# Altium PCB I2C_Jog_Controller.pcbdoc (part 6 of 9) (continued)
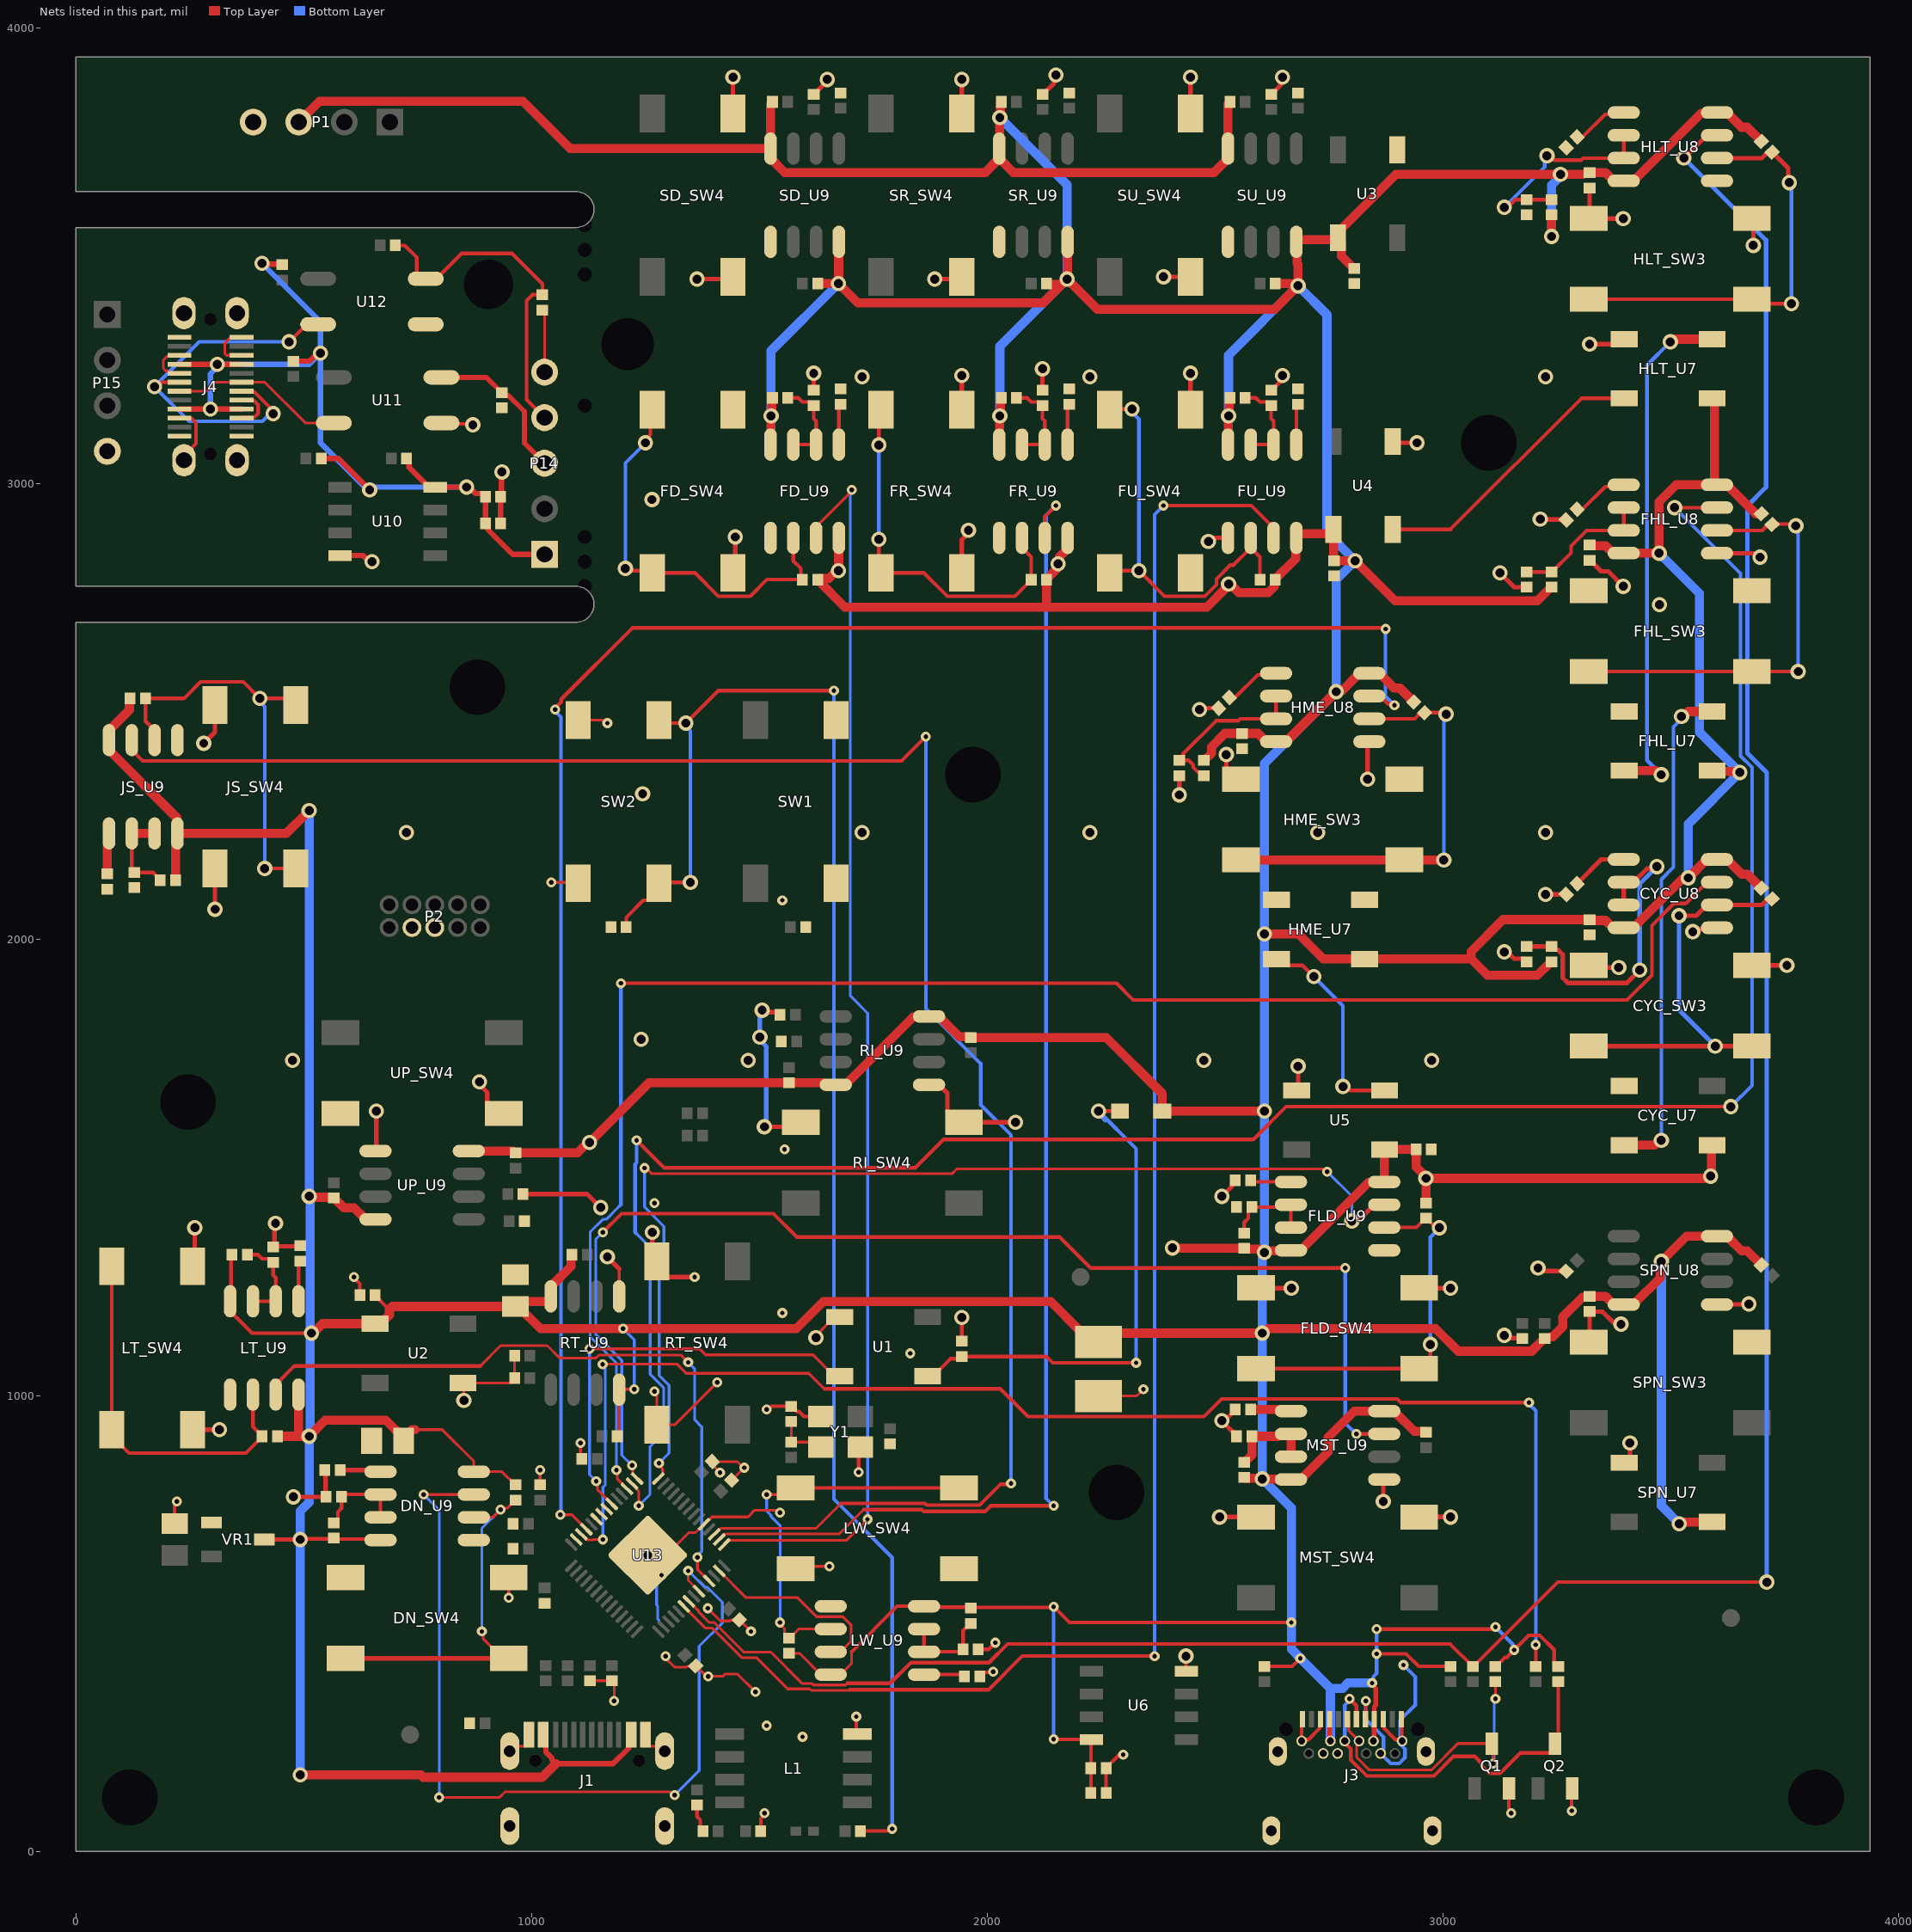
[diagram p6: the nets of this part, all layers, seen from the top]
## Nets (pads, with @x,y where several pads share a name; then routed paths per layer and width w, separated by ;. In a path a pad name is that pad's centre, name@x,y a point inside that pad or via, vN(x,y) a via of type N, cw(c..) or ccw(c..) an arc to the next point about the centre after c; other vN are vias at no path point) (continued)
  Top Layer w8: C21.1@216.54,719.09 216.54,759.01 221.46,763.93 v2(221.46,767.72) ; v2(610.24,1259.84) 610.24,1258.06 623.03,1245.27 C5.1@623.03,1220.47 ; R20.2@1363.19,101.38 1363.19,75.82 1369.92,69.09 1369.92,50.35 C19.1@1375.98,44.29 ; C35.1@1502.95,44.29 1502.95,72 1510.83,79.87 v2(1510.83,83.66) ; v2(1515.75,969.49) 1519.54,969.49 1526.43,976.38 1570.87,976.38 1582.52,964.72 1586.82,964.72 1597.8,953.74 Y1.2@1634.84,953.74 ; v2(1712.6,295.28) 1712.6,259.06 L1.4@1714.57,257.09 ; v2(1717.52,831.69) 1717.52,882.87 Y1.4@1721.46,886.81 ; C2.1@1943.9,1119.09 v1(1943.9,1171.26) ; LW_C15.1@1980.31,442.91 2002.95,442.91 v2(2017.72,457.68) ; LW_C16.2@1983.27,383.86 1983.27,384.84 1991.08,392.65 2011.75,392.65 v2(2012.8,393.7) ; C8.1@2260.83,127.95 2260.83,183.07 2286.69,208.94 2295.55,208.94 v2(2298.23,211.61) ; v1(2436.02,428.15) 2436.02,395.87 U6.4@2437.01,394.88 ; J3.A1@2691.92,289.57 2690.02,287.66 2690.02,275.85 2689.96,275.8 J3.B12@2689.96,241.93 2692.95,244.92 2704.72,244.92 2729.39,269.59 2729.39,287.66 J3.A3@2731.3,289.57 ; J3.A8@2829.72,289.57 2830.16,290.01 2830.16,329.16 v2(2830.6,329.6) ; J3.A10@2869.09,289.57 2870.99,287.66 2870.99,269.59 2895.66,244.92 2907.44,244.92 J3.B1@2910.43,241.93 ; J3.B1@2908.46,243.91 2909.44,244.9 2909.44,288.58 J3.A12@2908.46,289.57 ; Q1.2@3144.68,137.8 3144.68,92.37 3149.61,87.45 v2(3149.61,83.66) ; v2(3282.48,88.58) 3282.48,136.81 Q2.2@3283.46,137.8
  Top Layer w10: LT_SW4.2@255.91,925.2 v1(314.96,925.2) ; LT_SW4.1@255.91,1283.46 260.83,1288.39 v1(260.83,1368.11) ; v1(280.51,2431.1) 305.12,2455.71 JS_SW4.2@305.12,2514.76 ; v1(305.12,2066.93) JS_SW4.1@305.12,2156.5 ; v1(437.99,1377.95) 435.53,1375.49 435.53,1328.25 LT_C15.1@433.07,1325.79 434.55,1327.26 490.65,1327.26 LT_C16.2@492.13,1328.74 ; v1(477.09,777.56) DN_C15.1@549.21,777.56 547.74,779.04 547.74,835.14 DN_C16.2@546.26,836.61 ; UP_U9.1@657.48,1536.61 659.45,1538.58 v1(659.45,1624.02) ; v1(885.83,1687.99) 885.83,1681.64 902.64,1664.83 902.64,1641.65 925.2,1619.09 UP_SW4.1@938.98,1619.09 ; UP_C15.1@981.3,1441.93 1122.05,1441.93 v1(1151.57,1412.4) ; v1(1166.34,1304.13) 1192.13,1278.35 ; v1(1264.76,1358.27) 1264.76,1304.13 RT_SW4.2@1274.61,1294.29 1274.61,1282.4 1297.17,1259.84 v2(1357.95,1259.84) ; v1(1363.19,3449.8) 1437.01,3449.8 SD_SW4.2@1441.93,3454.72 ; FD_SW4.2@1441.93,2805.12 1446.85,2810.04 v1(1446.85,2883.86) ; SD_SW4.1@1441.93,3812.99 v1(1441.93,3892.72) ; v1(1505.91,1845.47) 1510.4,1840.98 1539.92,1840.98 RI_C16.2@1545.28,1835.63 ; v1(1510.83,1589.57) 1580.71,1589.57 RI_SW4.1@1590.55,1599.41 ; FD_C15.1@1619.09,3205.71 v1(1619.09,3243.11) ; SD_C15.1@1619.09,3855.31 1620.08,3855.31 1648.62,3883.86 v1(1648.62,3887.8) ; RI_U9.1@1872.05,1681.89 1893.7,1681.89 1912.48,1663.11 1912.48,1621.97 RI_SW4.2@1935.04,1599.41 ; v1(1884.84,3449.8) 1938.98,3449.8 SR_SW4.2@1943.9,3454.72 ; FR_SW4.2@1943.9,2805.12 1943.9,2877.51 1958.66,2892.27 v1(1958.66,2898.62) ; FR_SW4.1@1943.9,3163.39 v1(1943.9,3238.19) ; SR_SW4.1@1943.9,3812.99 v1(1943.9,3887.8) ; RI_SW4.2@1964.57,1599.41 v1(2062.01,1599.41) ; FR_C15.1@2121.06,3205.71 v1(2121.06,3252.95) ; SR_C15.1@2121.06,3855.31 2122.05,3855.31 2146.1,3879.37 2146.1,3893.15 v1(2150.59,3897.64) ; v1(2386.81,3454.72) SU_SW4.2@2445.87,3454.72 ; v1(2421.26,2317.91) HME_C13.1@2421.26,2360.24 ; FU_SW4.1@2445.87,3163.39 v1(2445.87,3243.11) ; SU_SW4.1@2445.87,3812.99 v1(2445.87,3892.72) ; v1(2465.55,2504.92) 2469.18,2508.55 2507.16,2508.55 HME_C14.2@2507.85,2507.85 ; v1(2485.24,2874.02) 2491.59,2874.02 2499.46,2881.89 FU_U9.1@2528.35,2881.89 ; v1(2509.84,733.27) MST_SW4.1@2589.57,733.27 ; v1(2514.76,1437.01) 2537.48,1459.72 2537.48,1465.63 FLD_C16.2@2544.29,1472.44 ; v1(2524.61,2406.5) 2524.61,2374.92 2547.17,2352.36 HME_SW3.1@2557.09,2352.36 ; MST_C16.2@2544.29,969.49 2544.29,968.5 2520.67,944.88 v1(2514.76,944.88) 2514.76,943.9 2547.24,911.42 MST_C15.1@2547.24,910.43 ; FLD_SW4.1@2589.57,1236.22 2590.55,1235.24 v1(2667.32,1235.24) ; FU_C15.1@2623.03,3205.71 2624.02,3205.71 2643.15,3224.84 2643.15,3233.7 v1(2647.64,3238.19) ; SU_C15.1@2623.03,3855.32 2624.02,3855.32 2643.15,3874.45 2643.15,3888.23 v1(2647.64,3892.72) ; U5.3@2679.13,1669.29 2682.09,1672.24 v1(2682.09,1722.44) ; v1(2834.65,2352.36) 2834.65,2430.91 HME_U8.1@2838.58,2434.84 ; v1(2869.09,767.72) 2869.09,813.78 MST_U9.1@2871.06,815.75 ; U4.3@2889.76,3093.5 2892.72,3090.55 v1(2942.91,3090.55) ; MST_SW4.2@2947.83,733.27 v1(3016.73,733.27) ; FLD_SW4.2@2947.83,1236.22 2948.82,1235.24 v1(3016.73,1235.24) ; v1(3125,2805.12) 3156.5,2773.62 FHL_C13.1@3184.06,2773.62 ; v1(3134.76,1131.97) 3141.11,1131.97 3147.1,1125.98 3173.23,1125.98 SPN_C13.1@3174.21,1125 ; v1(3134.84,1973.43) 3141.19,1973.43 3156.26,1958.36 3177.47,1958.36 CYC_C13.1@3184.06,1951.77 ; v1(3208.66,1279.53) 3215.01,1279.53 3221.23,1273.31 3269.95,1273.31 SPN_C14.2@3270.65,1272.62 ; v1(3213.58,2923.23) 3214.88,2921.93 3269.95,2921.93 FHL_C14.2@3270.65,2921.24 ; v1(3225.41,2099.39) 3253.15,2099.39 3253.84,2100.08 3269.95,2100.08 CYC_C14.2@3270.65,2099.39 ; SPN_SW3.1@3319.88,1117.13 3321.85,1119.09 SPN_C12.1@3321.85,1184.06 3349.65,1184.06 3372.72,1160.99 3386.26,1160.99 v1(3390.75,1156.5) ; CYC_SW3.1@3319.88,1943.9 3324.8,1938.98 v1(3385.83,1938.98) ; FHL_C12.1@3321.85,2832.68 3322.83,2832.68 3347.2,2808.31 3362.95,2808.31 v1(3395.67,2775.59) ; v1(3321.85,3307.09) 3386.81,3307.09 HLT_U7.3@3397.64,3317.91 ; HLT_C12.1@3321.85,3649.61 3321.85,3584.65 HLT_SW3.1@3319.88,3582.68 v1(3395.67,3582.68) ; SPN_U7.3@3397.64,852.36 3397.72,852.36 3410.43,865.08 v1(3410.43,895.67) ; v1(3548.23,2017.72) 3554.58,2017.72 3559.88,2023.02 3598.02,2023.02 CYC_U8.1@3601.38,2026.38 ; SPN_U8.1@3601.38,1199.61 3601.97,1200.2 3670.67,1200.2 v1(3671.26,1200.79) ; FHL_U8.1@3601.38,2848.23 3680.86,2848.23 3689.52,2839.57 v1(3695.87,2839.57) ; CYC_SW3.2@3678.15,1943.9 v1(3754.92,1943.9) ; HLT_SW3.2@3678.15,3582.68 3681.1,3579.72 v1(3681.1,3523.62)
  Bottom Layer w6: 1220.47,615.16 v1(1254.92,649.61) ; 1279.53,506.89 1276.39,510.02 1276.39,538.31 1274.29,540.41 1274.29,591.95 1285.28,602.94 v2(1285.28,605.57)
  Bottom Layer w8: v2(2830.6,329.6) 2830.6,289.71 2869.31,250.99 2869.31,208.81 2885.62,192.5 2903.75,192.5 2916.56,205.31 2916.56,224.67 2906.03,235.19 2906.03,287.69 2939.54,321.2 2939.54,382.31 v2(2913.39,408.46)
  Bottom Layer w10: v1(1505.91,1845.47) 1505.91,1839.12 1500.98,1834.2 1500.98,1780.07 1514.93,1766.12 1514.93,1593.67 v1(1510.83,1589.57)
  other v1: 475.2,1735.55 1475.2,1735.55 2475.2,1735.55 2975.2,1735.55 1240.16,1781.5 1500.98,1786.42 725.2,2235.55 1725.2,2235.55 2225.2,2235.55 2725.2,2235.55 3225.2,2235.55 1243.72,2320.31 3475.2,2735.55 1264.34,2965.93 1725.2,3235.55 2225.2,3235.55 3225.2,3235.55
  other v2: 1594.49,250.98 1515.75,275.59 1387.8,383.78 1830.71,1092.52 1550.2,1181.1 1269.68,1422.24 1555.12,1540.35 1550.2,2086.61
GND_CONN: C10.1 C11.1 C17.1 C18.1 J4.1 J4.2 J4.3 J4.4 J4.A1 J4.A3 J4.A8 J4.A10 J4.A12 J4.B1 J4.B3 J4.B8 J4.B10 J4.B12 P14.5 P15.4 U10.4 U11.3 U12.3 | length 833.9
  Top Layer w6: J4.A8@227.16,3243.11 206.1,3243.11 200.73,3248.48 197.06,3248.48 191.78,3253.75 191.78,3271.84 200.11,3280.17 224.85,3280.17 J4.A10@227.16,3282.48 ; J4.B3@363.38,3282.48 330.41,3282.48 326.89,3286 326.89,3310.09 336.33,3319.54 361.07,3319.54 J4.B1@363.38,3321.85 ; C18.1@1023.62,3381.89 1028.54,3376.97 P14.5@1028.54,3245.67
  Top Layer w8: J4.A3@227.16,3144.68 228.48,3143.37 254.63,3143.37 263.54,3134.46 263.54,3088.63 237.01,3062.1 J4.1@237.01,3052.17 ; J4.B10@363.38,3144.68 364.7,3146 390.85,3146 399.76,3154.91 399.76,3173.83 390.85,3182.74 364.7,3182.74 J4.B8@363.38,3184.05 ; U11.3@802.17,3134.06 804.23,3131.99 869,3131.99 v1(871.06,3129.92)
  Top Layer w12: U10.4@579.72,2843.31 630.22,2843.31 643.8,2829.72 v1(649.61,2829.72) ; C10.1@932.09,2913.39 C11.1@932.09,2972.44 933.56,2973.92 933.56,3025.1 v1(935.04,3026.57)
GPIO23: U13.35
GPIO24: U13.36
GPIO25: U13.37
HALT: HLT_U8.3 R11.2 U13.7 | length 5909.5
  Top Layer w6: U13.7@1345.05,548.34 1366.54,526.85 1366.54,524.68 1389.3,501.92 1400.61,501.92 1465.75,436.78 1524.9,436.78 1593.48,368.2 1614.96,368.2 1618.34,364.82 1689,364.82 1692.51,368.33
  Top Layer w8: 1692.51,368.33 1786.67,368.33 1832.16,413.82 2003.21,413.82 2004.1,414.7 2004.44,414.7 2044.62,454.88 3015.59,454.88 3066.93,403.54 3066.93,402.56 3066.93,405.51 3251.97,590.55 v1(3710.63,590.55)
  Top Layer w10: v1(3528.54,3715.55) 3529.33,3715.55 3578.94,3765.16 HLT_U8.3@3601.38,3765.16
  Bottom Layer w10: v1(3528.54,3715.55) 3708.83,3535.26 3708.83,2992.77 3668.13,2952.07 3668.13,2409.59 3710.63,2367.09 v1(3710.63,590.55)
HALT_host: C17.2 P14.3 U11.4 | length 344.8
  Top Layer w11: U11.4@802.17,3234.06 900.79,3234.06 934.05,3200.79 C17.2@935.04,3200.79 941.35,3194.48 948.76,3194.48 984.05,3159.18 984.05,3090.16 P14.3@1028.54,3045.67
HALT_KEYPAD: J3.A6 J3.B6 Q1.3 R7.2 | length 651.2
  Top Layer w6: J3.A6@2790.35,289.57 2793.25,286.66 2793.25,264.62 J3.B6@2815.94,241.93 2815.94,237.16 2810.82,232.04 2810.82,205.73 2838.34,178.2 2974.67,178.2 3032.69,236.22 Q1.3@3107.28,236.22 3110.24,233.27 v2(3110.24,191.93) ; v2(3115.16,334.65) R7.2@3115.16,367.13
  Bottom Layer w6: v2(3110.24,191.93) 3112.7,194.39 3112.7,332.19 v2(3115.16,334.65)
HALT_mod: J4.A6 J4.B6 U11.2 | length 384
  Top Layer w6: J4.A6@227.16,3203.74 285.43,3203.74 305.12,3223.43 413.97,3223.43 503.34,3134.06 U11.2@565.94,3134.06
HLT_LED_IN: HLT_U7.4 U4.2 | length 626.9
  Top Layer w8: U4.2@2889.76,2900.59 3016.53,2900.59 3303.93,3187.99 HLT_U7.4@3397.64,3187.99
HME_LED_IN: HME_U7.4 U5.2 | length 460.4
  Top Layer w8: HME_U7.4@2634.84,1957.68 2648.56,1943.96 2691.87,1943.96 v1(2716.54,1919.29) ; v1(2780.51,1678.15) 2787.4,1678.15 2796.26,1669.29 U5.2@2872.05,1669.29
  Bottom Layer w8: v1(2716.54,1919.29) 2780.51,1855.31 v1(2780.51,1678.15)
HME_LED_OUT: HME_U7.2
HOME: HME_U8.3 U13.39 | length 3984.9
  Top Layer w6: v2(1062.99,738.19) 1088.39,738.19 U13.39@1120.25,706.33
  Top Layer w8: v2(1051.8,2504.92) 1051.8,2508.71 1064.8,2521.71 1064.8,2527.76 1221.25,2684.21 2871.89,2684.21 v2(2874.02,2682.09) ; HME_U8.3@2838.58,2534.84 2861.89,2534.84 2879.29,2517.44 2891.02,2517.44 v2(2893.7,2514.76)
  Bottom Layer w8: v2(1051.8,2504.92) 1051.8,2501.13 1064.31,2488.63 1064.31,739.5 v2(1062.99,738.19) ; v2(2874.02,2682.09) 2874.02,2534.45 v2(2893.7,2514.76)
JOG/SEL: JS_U9.3 U13.17 | length 4199.9
  Top Layer w6: U13.17@1410.12,704.5 1411.36,704.5 1415.21,708.35 1623.91,708.35 1678.91,763.35
  Top Layer w8: JS_U9.3@122.64,2437.99 122.64,2416.34 146.42,2392.56 1811.85,2392.56 v2(1865.16,2445.87) ; 1678.91,763.35 1862.86,763.35 1866.52,759.69 1983.47,759.69 2029.17,805.38 2050.46,805.38 v2(2052.17,807.09)
  Bottom Layer w8: v2(1865.16,2445.87) 1865.16,1848.83 1985.39,1728.59 1985.39,1638.22 2052.17,1571.45 v2(2052.17,807.09)
KPSTR: R12.1 U13.40 | length 3126.9
  Top Layer w6: U13.40@1109.12,695.19 1110.44,695.19 1122.45,683.18 1135.34,683.18 1136.22,684.06 v2(1156.5,684.06) ; v2(1155.79,1068.6) 1319.46,1068.6 1339.51,1048.54 1608.57,1048.54 1642.51,1014.61
  Top Layer w8: 1642.51,1014.61 2028.45,1014.61 2089.47,953.58 2475.41,953.58 2514.11,992.28 2899.81,992.28 2907.84,984.25 v2(3188.98,984.25) ; R12.1@3203.74,405.51 v2(3203.74,452.76)
  Bottom Layer w6: v2(1155.79,1068.6) 1155.79,1064.27 1161.73,1058.32 1161.73,803.72 1156.5,798.49 v2(1156.5,684.06)
  Bottom Layer w8: v2(3188.98,984.25) 3188.98,981.25 3203.74,966.49 v2(3203.74,452.76)
KPSTR_host: C18.2 P14.4 R3.1 U12.4 | length 767.6
  Top Layer w8: R3.1@700.79,3523.62 721.4,3523.62 748.09,3496.93 748.09,3461.44 758.95,3450.59 U12.4@774.05,3450.59 ; U12.4@767.72,3450.59 U12.4@774.05,3450.59 ; P14.4@1028.54,3145.67 989.02,3185.2 989.02,3402.34 1002.03,3415.35 C18.2@1023.62,3415.35 1023.62,3439.17 956.86,3505.93 846.68,3505.93 791.34,3450.59 U12.4@774.05,3450.59
KPSTR_KEYPAD: J3.A7 J3.B7 Q2.3 R6.2 | length 864.6
  Top Layer w8: J3.B7@2784.45,241.93 2784.45,237.7 2797.82,224.33 2797.82,200.34 2832.96,165.2 2980.06,165.2 3022.86,208.01 3069.72,208.01 3085.63,192.1 3085.63,186.84 3101.54,170.93 3125.29,170.93 3169.98,215.61 3236.28,215.61 3246.06,225.39 Q2.3@3246.06,236.22 3252.95,243.11 R6.2@3252.95,370.08 ; v2(2795.28,334.65) 2795.28,334.05 2810.04,319.29 J3.A7@2810.04,289.57
  Bottom Layer w8: J3.B7@2784.45,241.93 2784.45,320.03 2795.28,330.86 v2(2795.28,334.65)
KPSTR_mod: J4.A7 J4.B7 U12.2 | length 867.7
  Top Layer w8: v1(172.24,3213.58) 179.13,3213.58 188.98,3223.43 J4.A7@227.16,3223.43 ; J4.B7@363.38,3203.74 364.7,3202.42 390.96,3202.42 433.07,3160.32 v1(433.07,3154.53) ; v1(467.52,3312.01) 468.41,3312.01 506.99,3350.59 U12.2@531.5,3350.59
  Bottom Layer w8: v1(433.07,3154.53) 426.22,3154.53 409.33,3137.64 248.19,3137.64 v1(172.24,3213.58) 270.67,3312.01 v1(467.52,3312.01)
LED_CONTROL: U1.4 U13.34 | length 921.5
  Top Layer w6: v2(1126.97,1102.36) 1368.46,1102.36 1381.59,1089.24 1617.46,1089.24 1664.37,1042.32 U1.4@1676.18,1042.32 ; v2(1141.73,812.01) 1144.79,808.95 1144.79,793.14 1165.87,772.06 1165.96,772.06 U13.34@1166.62,771.4
  Bottom Layer w6: v2(1126.97,1102.36) 1127.28,1102.05 1127.28,826.46 v2(1141.73,812.01)
LEFT: LT_U9.3 U13.11 | length 1489.4
  Top Layer w6: 887.64,1064.8 932.23,1109.39 1034.15,1109.39 1061.18,1082.36 1141.27,1082.36 1147.5,1088.6 1327.74,1088.6 v2(1343.5,1072.83) ; v2(1363.97,644.63) 1363.97,618.51 U13.11@1389.59,592.88
  Top Layer w8: LT_U9.3@438.39,1001.97 438.39,1023.62 479.57,1064.8 887.64,1064.8
  Bottom Layer w6: v2(1343.5,1072.83) 1357.95,1058.39 1357.95,946.44 1373.35,931.05 1373.35,658.34 1363.97,648.96 v2(1363.97,644.63)
LOWER: LW_U9.3 U13.13 | length 428.5
  Top Layer w6: U13.13@1411.86,615.16 1470.6,556.42 1583.81,556.42 1625.41,514.82 1683.14,514.82 1700.93,497.03 1700.93,460.38 1678.15,437.6 LW_U9.3@1656.5,437.6
MIST: MST_U9.3 U13.29 | length 2715.7
  Top Layer w6: v2(1220.47,846.46) 1222.21,844.72 1222.21,827.08 U13.29@1231.61,817.68
  Top Layer w8: v2(1156.5,1358.27) 1197.23,1399 1530.76,1399 1582.09,1347.66 2158.89,1347.66 2227.02,1279.53 v2(2785.43,1279.53) ; v2(2810.04,915.35) 2810.24,915.55 2870.87,915.55 MST_U9.3@2871.06,915.75
  Bottom Layer w6: v2(1156.5,1358.27) 1140.61,1342.38 1140.61,1134.35 1198.02,1076.93 1198.02,868.91 v2(1220.47,846.46)
  Bottom Layer w8: v2(2785.43,1279.53) 2785.43,939.96 v2(2810.04,915.35)
NetC2_2: C2.2 D1.2 U1.1 | length 1142.2
  Top Layer w8: U1.1@1869.09,1042.32 1880.91,1042.32 1919.1,1080.52 1938.79,1080.52 C2.2@1943.9,1085.63 2129.45,1085.63 2143.39,1071.69 v2(2326.61,1071.69) ; v1(2244.09,1624.02) D1.2@2291.14,1624.02
  Bottom Layer w8: 2258.86,1602.67 2244.09,1617.44 v1(2244.09,1624.02) 2326.61,1541.5 v2(2326.61,1071.69)
NetC23_1: C23.1 R22.1 Y1.3 | length 114.7
  Top Layer w6: C23.1@1569.88,942.91 R22.1@1569.88,897.64 1624.02,897.64 Y1.3@1634.84,886.81
NetCYC_C13_2: CYC_C13.2 CYC_R13.2 CYC_U8.6 CYC_U8.7 | length 701.9
  Top Layer w10: CYC_C13.2@3184.06,1985.24 CYC_R13.2@3238.19,1985.24 3245,1978.43 3251.7,1978.43 3262.84,1967.28 3262.84,1916.48 3273.99,1905.34 3403.83,1905.34 v1(3431.73,1933.24) ; CYC_U8.7@3396.65,2076.38 CYC_U8.6@3396.65,2126.38 3418.31,2126.38 3447.87,2155.94 3465,2155.94 v1(3469.49,2160.43)
  Bottom Layer w10: v1(3431.73,1933.24) 3431.73,2122.67 v1(3469.49,2160.43)
NetCYC_C14_1: CYC_C14.1 CYC_U8.5 | length 124.4
  Top Layer w10: CYC_C14.1@3294.31,2123.05 3347.64,2176.38 CYC_U8.5@3396.65,2176.38
NetCYC_R14_2: CYC_R14.2 CYC_SW3.3 CYC_SW3.4 CYC_U8.2 | length 899.6
  Top Layer w10: CYC_SW3.3@3319.88,1766.73 CYC_SW3.4@3678.15,1766.73 ; v1(3518.12,2052.84) 3556.19,2052.84 3573.99,2070.64 3573.99,2075.39 3574.97,2076.38 3699.66,2076.38 3712.83,2089.55 CYC_R14.2@3722.46,2089.55
  Bottom Layer w10: v1(3518.12,2052.84) 3518.12,1846.05 v1(3597.44,1766.73)
NetDN_C15_2: DN_C15.2 DN_R15.2 DN_U9.6 DN_U9.7 | length 202.4
  Top Layer w8: DN_R15.2@565.94,720.47 566.93,720.47 574.74,728.28 574.74,744.56 582.68,752.49 DN_C15.2@582.68,777.56 587.99,782.87 DN_U9.6@668.31,782.87 DN_U9.7@668.31,732.87
NetDN_C16_1: DN_C16.1 DN_U9.5 | length 90.1
  Top Layer w10: DN_C16.1@579.72,836.61 638.16,836.61 641.9,832.87 DN_U9.5@668.31,832.87
NetDN_R16_2: DN_R16.2 DN_SW4.3 DN_SW4.4 DN_U9.2 | length 828.9
  Top Layer w6: DN_U9.2@873.03,732.87 914.96,732.87 934.83,752.75 945.66,752.75 963.58,770.67 DN_R16.2@964.57,770.67 ; v2(890.75,482.28) 893.81,479.22 893.81,465.44 936.02,423.23 937.31,423.23 DN_SW4.4@949.8,423.23
  Top Layer w10: DN_SW4.3@591.54,423.23 DN_SW4.4@937.31,423.23
  Bottom Layer w6: v2(890.75,482.28) 890.75,708.66 v2(931.77,749.68)
NetFD_C15_2: FD_C15.2 FD_R15.2 FD_U9.6 FD_U9.7 | length 201.8
  Top Layer w8: FD_R15.2@1562.01,3188.98 1585.38,3188.98 1594.3,3180.06 1611.28,3180.06 FD_C15.2@1619.09,3172.24 1619.09,3143.53 1624.41,3138.21 FD_U9.6@1624.41,3086.61 FD_U9.7@1574.41,3086.61
NetFD_C16_1: FD_C16.1 FD_U9.5 | length 90.1
  Top Layer w8: FD_U9.5@1674.41,3086.61 1674.41,3171.46 FD_C16.1@1678.15,3175.2
NetFD_R16_2: FD_R16.2 FD_SW4.3 FD_SW4.4 FD_U9.2 | length 901.4
  Top Layer w8: v1(1205.71,2814.96) 1212.6,2814.96 1217.52,2810.04 1259.84,2810.04 FD_SW4.4@1264.76,2805.12 1358.57,2805.12 1409.91,2753.78 1480,2753.78 1516.58,2790.35 1593.5,2790.35 1594.49,2791.34 1590.57,2795.26 1590.57,2815.15 1574.41,2831.31 FD_U9.2@1574.41,2881.89 ; v1(1250,3090.55) 1250,3097.44 1260.83,3108.27 1260.83,3159.45 FD_SW4.3@1264.76,3163.39
  Bottom Layer w8: v1(1205.71,2814.96) 1205.71,3046.26 v1(1250,3090.55)
NetFHL_C13_2: FHL_C13.2 FHL_R13.2 FHL_U8.6 FHL_U8.7 | length 309.2
  Top Layer w8: FHL_C13.2@3184.06,2807.09 3239.17,2807.09 3281.09,2849 3281.09,2864.13 3315.19,2898.23 FHL_U8.7@3396.65,2898.23 FHL_U8.6@3396.65,2948.23
NetFHL_C14_1: FHL_C14.1 FHL_U8.5 | length 125
  Top Layer w8: FHL_C14.1@3294.31,2944.9 3295.01,2944.21 3306.05,2944.21 3356.33,2994.49 3392.91,2994.49 FHL_U8.5@3396.65,2998.23
NetFHL_R14_2: FHL_R14.2 FHL_SW3.3 FHL_SW3.4 FHL_U8.2 | length 962
  Top Layer w8: FHL_SW3.3@3319.88,2588.58 FHL_SW3.4@3678.15,2588.58 v1(3779.53,2588.58) ; FHL_U8.2@3601.38,2898.23 3700.56,2898.23 3714.43,2912.09 3770.98,2912.09 v1(3774.61,2908.46)
  Bottom Layer w8: v1(3774.61,2908.46) 3774.61,2901.57 3779.53,2896.65 v1(3779.53,2588.58)
NetFLD_C15_2: FLD_C15.2 FLD_R15.2 FLD_U9.6 FLD_U9.7 | length 201.8
  Top Layer w8: FLD_R15.2@2563.98,1356.3 2563.98,1379.67 2572.9,1388.59 2572.9,1405.58 FLD_C15.2@2580.71,1413.39 2634.08,1413.39 2639.39,1418.7 FLD_U9.6@2666.34,1418.7 FLD_U9.7@2666.34,1368.7
NetFLD_C16_1: FLD_C16.1 FLD_U9.5 | length 90.1
  Top Layer w8: FLD_C16.1@2577.76,1472.44 2581.5,1468.7 FLD_U9.5@2666.34,1468.7
NetFLD_R16_2: FLD_R16.2 FLD_SW4.3 FLD_SW4.4 FLD_U9.2 | length 824.2
  Top Layer w8: FLD_SW4.3@2589.57,1059.06 2948.88,1059.06 2972.44,1082.61 v1(2972.44,1112.2) ; FLD_U9.2@2871.06,1368.7 2941.54,1368.7 2961.61,1388.78 2963.58,1388.78 2979.38,1372.98 2987.25,1372.98 v1(2992.13,1368.11)
  Bottom Layer w8: v1(2972.44,1112.2) 2972.44,1347.16 2992.13,1366.85 v1(2992.13,1368.11)
NetFR_C15_2: FR_C15.2 FR_R15.2 FR_U9.6 FR_U9.7 | length 201.8
  Top Layer w8: FR_R15.2@2063.98,3188.98 2087.35,3188.98 2096.27,3180.06 2113.25,3180.06 FR_C15.2@2121.06,3172.24 2121.06,3143.53 2126.38,3138.21 FR_U9.6@2126.38,3086.61 FR_U9.7@2076.38,3086.61
NetFR_C16_1: FR_C16.1 FR_U9.5 | length 90.1
  Top Layer w8: FR_U9.5@2176.38,3086.61 2176.38,3171.46 FR_C16.1@2180.12,3175.2
NetFR_R16_2: FR_R16.2 FR_SW4.3 FR_SW4.4 FR_U9.2 | length 828.9
  Top Layer w8: v1(1761.81,2878.94) 1761.81,2810.04 FR_SW4.4@1766.73,2805.12 1860.86,2805.12 1912.2,2753.78 2060.87,2753.78 2096.46,2789.37 2096.46,2840.16 2076.38,2860.24 FR_U9.2@2076.38,2881.89 ; v1(1761.81,3085.63) 1761.81,3158.46 FR_SW4.3@1766.73,3163.39
  Bottom Layer w8: v1(1761.81,2878.94) v1(1761.81,3085.63)
NetFU_C15_2: FU_C15.2 FU_R15.2 FU_U9.6 FU_U9.7 | length 201.8
  Top Layer w8: FU_R15.2@2565.94,3188.98 2589.31,3188.98 2598.24,3180.06 2615.22,3180.06 FU_C15.2@2623.03,3172.24 2623.03,3143.53 2628.35,3138.21 FU_U9.6@2628.35,3086.61 FU_U9.7@2578.35,3086.61
NetFU_C16_1: FU_C16.1 FU_U9.5 | length 90.1
  Top Layer w8: FU_U9.5@2678.35,3086.61 2678.35,3171.46 FU_C16.1@2682.09,3175.2
NetFU_R16_2: FU_R16.2 FU_SW4.3 FU_SW4.4 FU_U9.2 | length 896.4
  Top Layer w8: FU_SW4.4@2268.7,2805.12 2273.62,2810.04 v1(2332.68,2810.04) 2388.94,2753.78 2477.57,2753.78 2502.8,2779.01 2502.8,2791.58 2533.23,2822.02 2540.13,2822.02 FU_U9.2@2578.35,2860.24 ; FU_SW4.3@2268.7,3163.39 2269.68,3164.37 v1(2317.91,3164.37) ; FU_U9.2@2578.35,2881.89 FU_U9.2@2578.35,2860.24 ; FU_R16.2@2598.43,2790.35 2598.43,2840.16 FU_U9.2@2578.35,2860.24
  Bottom Layer w8: v1(2317.91,3164.37) 2317.91,3157.48 2332.68,3142.72 v1(2332.68,2810.04)
NetHLT_C13_2: HLT_C13.2 HLT_R13.2 HLT_U8.6 HLT_U8.7 | length 486.3
  Top Layer w8: v1(3134.84,3607.28) 3141.73,3607.28 3158.47,3624.02 HLT_R13.2@3238.19,3624.02 ; v1(3228.35,3720.47) 3235.24,3720.47 3244.94,3710.77 3303.26,3710.77 3307.65,3715.16 HLT_U8.7@3396.65,3715.16 HLT_U8.6@3396.65,3765.16
  Bottom Layer w8: v1(3134.84,3607.28) 3223.47,3695.92 3223.47,3715.6 v1(3228.35,3720.47)
NetHLT_C14_1: HLT_C14.1 HLT_U8.5 | length 125
  Top Layer w8: HLT_C14.1@3294.31,3761.83 3295.01,3761.14 3306.05,3761.14 3356.33,3811.41 3392.91,3811.41 HLT_U8.5@3396.65,3815.16
NetHLT_R14_2: HLT_R14.2 HLT_SW3.3 HLT_SW3.4 HLT_U8.2 | length 925.7
  Top Layer w8: HLT_SW3.3@3319.88,3405.51 HLT_SW3.4@3678.15,3405.51 3687.99,3395.67 v1(3764.76,3395.67)
  Top Layer w10: HLT_U8.2@3601.38,3715.16 3699.66,3715.16 3712.83,3728.33 HLT_R14.2@3722.46,3728.33 3757.64,3693.15 3757.64,3663.62 v1(3759.84,3661.42)
  Bottom Layer w8: v1(3759.84,3661.42) 3759.84,3654.53 3764.76,3649.61 v1(3764.76,3395.67)
NetHME_C13_2: HME_C13.2 HME_R13.2 HME_U8.6 HME_U8.7 | length 374.5
  Top Layer w8: HME_C13.2@2421.26,2393.7 HME_C13.2@2422.24,2393.7 ; HME_R13.2@2475.39,2360.24 2467.58,2368.05 2462.3,2368.05 2452.11,2378.23 2452.11,2383.52 2441.93,2393.7 HME_C13.2@2422.24,2393.7 ; HME_U8.6@2633.86,2534.84 HME_U8.7@2633.86,2484.84 2554.87,2484.84 2550.48,2480.45 2502.18,2480.45 2430.06,2408.33 2430.06,2401.51 HME_C13.2@2422.24,2393.7
NetHME_C14_1: HME_C14.1 HME_U8.5 | length 125
  Top Layer w8: HME_C14.1@2531.52,2531.52 2532.21,2530.82 2543.26,2530.82 2593.54,2581.1 2630.12,2581.1 HME_U8.5@2633.86,2584.84
NetHME_R14_2: HME_R14.2 HME_SW3.3 HME_SW3.4 HME_U8.2 | length 942.4
  Top Layer w8: HME_U8.2@2838.58,2484.84 2937.77,2484.84 2951.63,2498.71 3003.26,2498.71 v1(3006.89,2495.08)
  Top Layer w20: HME_SW3.3@2557.09,2175.2 v1(3001.97,2175.2)
  Bottom Layer w8: v1(3001.97,2175.2) 3001.97,2483.27 3006.89,2488.19 v1(3006.89,2495.08)
NetJS_C15_2: JS_C15.2 JS_R15.2 JS_U9.6 JS_U9.7 | length 202.4
  Top Layer w8: JS_U9.6@122.64,2233.27 122.64,2152.95 JS_C15.2@127.95,2147.64 169.29,2147.64 185.04,2131.89 JS_R15.2@185.04,2130.91
  Top Layer w20: JS_U9.6@122.64,2233.27 JS_U9.7@172.64,2233.27
NetJS_C16_1: JS_C16.1 JS_U9.5 | length 90.1
  Top Layer w20: JS_C16.1@68.9,2144.69 68.9,2205.83 72.64,2209.57 JS_U9.5@72.64,2233.27
NetJS_R16_2: JS_R16.2 JS_SW4.3 JS_SW4.4 JS_U9.2 | length 911.4
  Top Layer w8: JS_U9.2@172.64,2437.99 172.64,2459.65 152.56,2479.72 JS_R16.2@152.56,2529.53 236.84,2529.53 273.42,2566.1 366.97,2566.1 v1(403.54,2529.53) 467.52,2529.53 JS_SW4.4@482.28,2514.76 ; v1(414.37,2156.5) JS_SW4.3@482.28,2156.5
  Bottom Layer w8: v1(403.54,2529.53) 403.54,2522.64 414.37,2511.81 v1(414.37,2156.5)
NetLT_C15_2: LT_C15.2 LT_R15.2 LT_U9.6 LT_U9.7 | length 201.8
  Top Layer w8: LT_R15.2@375.98,1309.06 399.35,1309.06 408.28,1300.13 425.26,1300.13 LT_C15.2@433.07,1292.32 433.07,1263.6 438.39,1258.29 LT_U9.6@438.39,1206.69 LT_U9.7@388.39,1206.69
NetLT_C16_1: LT_C16.1 LT_U9.5 | length 90.1
  Top Layer w8: LT_U9.5@488.39,1206.69 488.39,1291.54 LT_C16.1@492.13,1295.28
NetLT_R16_2: LT_R16.2 LT_SW4.3 LT_SW4.4 LT_U9.2 | length 832.9
  Top Layer w8: LT_SW4.3@78.74,1283.46 78.74,911.42 116.3,873.86 372.87,873.86 408.46,909.45 408.46,911.42 388.39,931.5 LT_U9.2@388.39,1001.97
NetLW_C15_2: LW_C15.2 LW_R15.2 LW_U9.6 LW_U9.7 | length 202.4
  Top Layer w8: LW_U9.7@1861.22,487.6 LW_U9.6@1861.22,437.6 1941.54,437.6 LW_C15.2@1946.85,442.91 1946.85,484.25 1962.6,500 LW_R15.2@1963.58,500
NetLW_C16_1: LW_C16.1 LW_U9.5 | length 90.1
  Top Layer w8: LW_U9.5@1861.22,387.6 1946.06,387.6 LW_C16.1@1949.8,383.86
NetLW_R16_2: LW_R16.2 LW_SW4.3 LW_SW4.4 LW_U9.2 | length 864.1
  Top Layer w6: v2(1515.75,782.48) 1564.96,782.48 LW_SW4.4@1579.72,797.24 ; v2(1545.28,501.97) 1545.28,497.64 1555.17,487.75 1555.17,476.33 1563.98,467.52 1565.94,467.52 1586.02,487.6 LW_U9.2@1656.5,487.6
  Top Layer w8: LW_SW4.4@1579.72,797.24 LW_SW4.3@1937.99,797.24
  Bottom Layer w6: v2(1515.75,782.48) 1515.75,746.79 1525.28,737.26 1525.28,734.83 1545.28,714.83 v2(1545.28,501.97)
NetMST_C15_2: MST_C15.2 MST_R15.2 MST_U9.6 MST_U9.7 | length 202.4
  Top Layer w20: MST_R15.2@2563.98,853.35 2564.96,853.35 2580.71,869.09 MST_C15.2@2580.71,910.43 2637.32,910.43 2642.64,915.75 MST_U9.6@2666.34,915.75 MST_U9.7@2666.34,865.75
NetMST_C16_1: MST_C16.1 MST_U9.5 | length 90.1
  Top Layer w20: MST_C16.1@2577.76,969.49 2638.9,969.49 2642.64,965.75 MST_U9.5@2666.34,965.75